# Altium PCB MD2084.PcbDoc (part 3 of 4)
Units mil, origin at the board's own origin, x right, y up, seen from the top; angles counter-clockwise.
Board outline 2480.33 x 1456.84 mil, 6 copper layers (L1_TOP, L2_GND, L3_HS, L4_POWER, L5_GND, L6_BOT), stack 62.954 mil thick; 246 components, 198 nets, 1028 pads, 585 vias.
Unrouted connection lines stored in the file: 92.
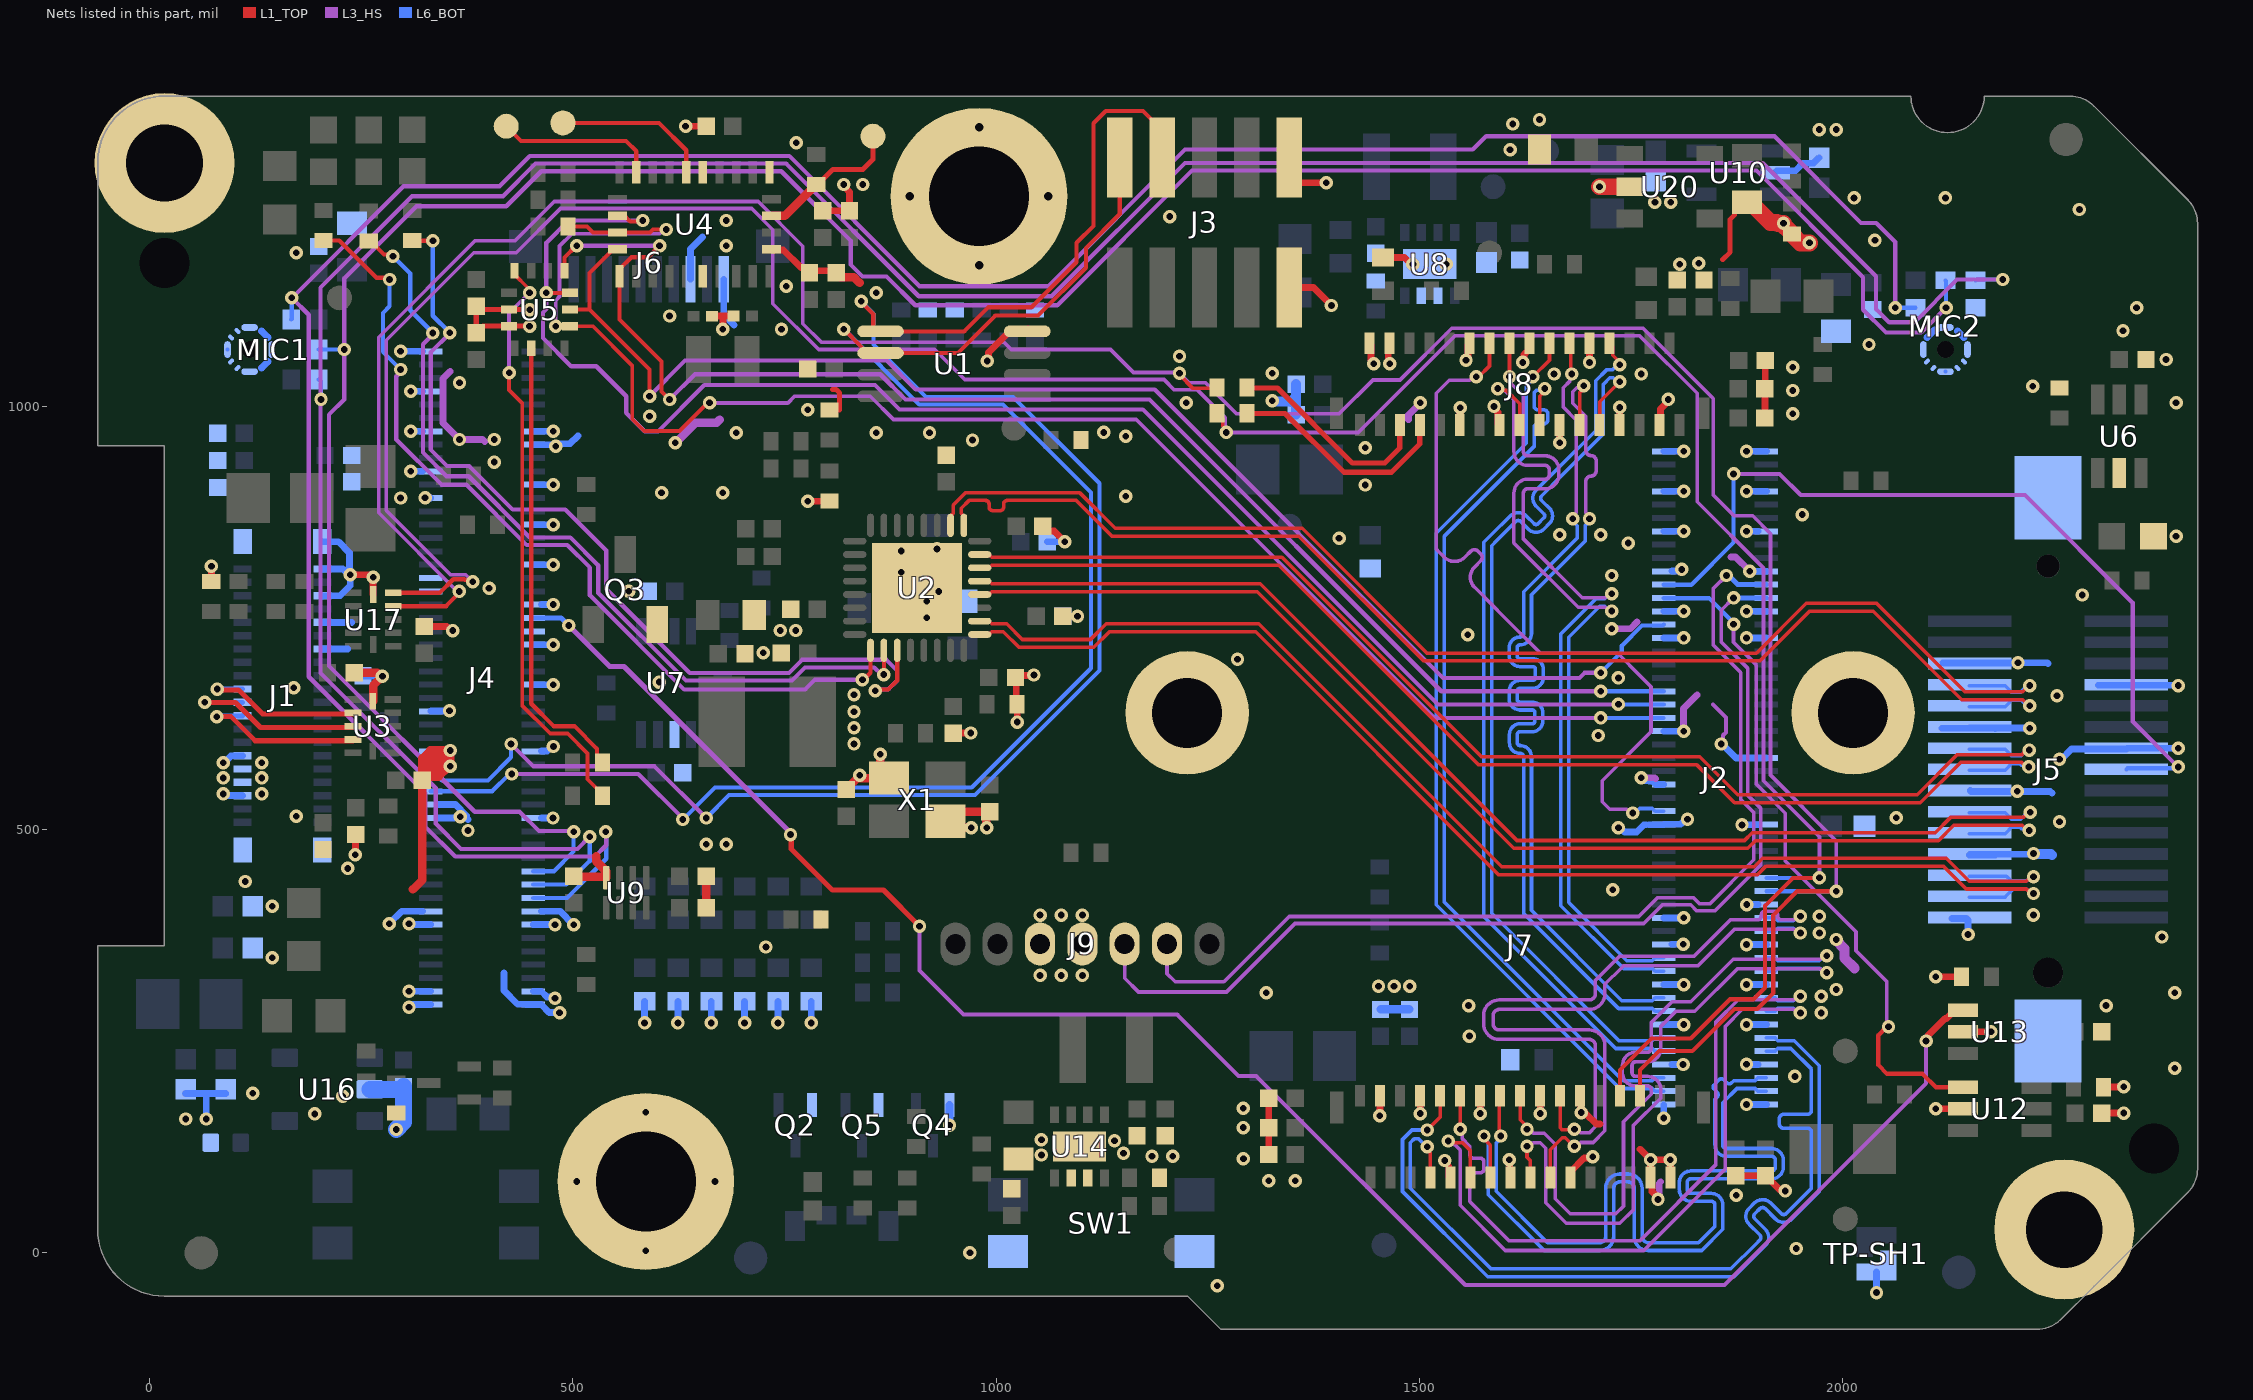
[diagram p7: the nets of this part, all layers, seen from the top]

## Via types
v1: diameter 15.83, hole 7.91, L1_TOP to L6_BOT, tented both sides, 554 vias
v2: diameter 15.98, hole 7.99, L1_TOP to L6_BOT, tented both sides, 23 vias
v3: diameter 20, hole 10, L1_TOP to L6_BOT, 4 vias
v4: diameter 15.83, hole 7.91, L1_TOP to L6_BOT, 4 vias

## Nets (pads, with @x,y where several pads share a name; then routed paths per layer and width w, separated by ;. In a path a pad name is that pad's centre, name@x,y a point inside that pad or via, vN(x,y) a via of type N, cw(c..) or ccw(c..) an arc to the next point about the centre after c; other vN are vias at no path point) (continued)
GND: C1.1 C2.1 C3.1 C4.1 C5.1 C6.1 C7.1 C8.1 C9.1 C10.1 C11.1 C12.1 C13.1 C14.1 C15.1 C16.1 C17.1 C18.1 C21.1 C22.1 C23.1 C24.1 C25.1 C26.1 C27.1 C28.1 C29.1 C30.2 C31.1 C32.1 C33.1 C34.1 C35.1 C36.1 C37.1 C38.1 C39.1 C40.1 C41.2 C42.1 C43.1 C44.1 C45.1 C46.1 C47.1 C48.1 C49.1 C50.2 C51.1 C52.1 C53.1 C54.1 C55.1 C56.1 C57.1 C58.1 C59.1 C62.1 C63.1 C64.2 C65.1 C66.2 C67.1 C68.1 C69.1 C70.1 C75.2 C76.1 C79.1 C80.1 C81.1 C82.1 C83.1 C84.1 C105.1 C106.1 C107.1 C108.1 C109.1 C110.1 D2.1 J1.3 J1.4 J1.5 J1.6 J1.21 J1.23 J1.25 J1.27 J1.41 J1.42 J1.43 J1.44 J2.1 J2.2 J2.7 J2.8 J2.13 J2.14 J2.19 J2.20 J2.25 J2.26 J2.30 J2.31 J2.43 J2.44 J2.50 J2.53 J2.58 J2.71 J2.72 J2.75 J2.76 J2.81 J2.82 J2.87 J2.88 J2.93 J2.94 J2.99 J2.100 J3.9 J3.10 J4.1 J4.2 J4.3 J4.4 J4.13 J4.14 J4.15 J4.16 J4.29 J4.30 J4.32 J4.38 J4.39 J4.40 J4.46 J4.49 J4.55 J4.61 J4.67 J4.73 J4.78 J4.79 J4.82 J4.85 J4.87 J4.88 J4.94 J4.100 J5.1 J5.4 J5.7 J5.10 J5.13 J5.19 J5.22 J5.P1 J5.P2 J6.8 J6.10 J7.2 J7.4 J7.11 J7.12 J7.15 J7.18 J7.21 J7.24 J7.27 J7.31 J7.34 J7.35 J8.2 J8.4 J8.11 J8.12 J8.15 J8.18 J8.21 J8.24 J8.27 J8.31 J9.3 J9.4 MH1.1 MIC1.3 MIC2.2 MIC2.3 MTG1.1 pad. Q2.2 Q3.2 Q4.2 Q5.2 R1.1 R2.2 R20.1 R21.1 R22.1 R23.1 R24.1 R25.1 R28.1 R32.1 R33.1 R34.1 R35.1 R36.1 R43.1 R46.1 R49.2 R56.1 R57.1 R59.1 R63.2 R65.1 R68.1 R73.1 R74.1 R76.2 SW1.2 SW1.4 TP-SH1.1 U1.4 U2.33 U3.6 U4.2 U4.10 U4.25 U5.6 U5.7 U6.2 U7.2 U8.2 U8.3 U8.9 U9.4 U10.2 U12.2 U13.2 U14.2 U14.3 U14.9 U16.2 U17.6 U20.2 X1.2 X1.4 | length 6596.9
  L1_TOP w6: v1(448.82,1094.49) 393.7,1094.49 C33.1@385.83,1086.61 C44.1@385.83,1118.11 389.76,1114.17 U5.6@424.7,1114.17 424.83,1114.05 448.8,1114.05 v1(448.92,1113.93) ; 806.61,1019.68 811.02,1019.68 814.96,1015.75 814.96,995.72 ; 1858.27,1173.23 1867,1181.96 1867,1220.77 1872.25,1226.02 1872.25,1229.96 1883.03,1240.74 C70.1@1886.97,1240.74
  L1_TOP w8: R2.2@73,792.72 v1(73,811) ; v1(237,801) 258.88,801 261.88,798 v1(264,798) U17.6@264,777.56 ; v1(243,470) 243.31,470.31 243.31,493.8 C47.1@243.62,494.11 ; C67.1@324.27,739.75 351.1,739.75 355.88,734.97 v1(358,734.97) ; v1(633.09,1330.71) C30.2@657.48,1330.71 ; C31.1@664.57,1106.3 664.67,1106.4 677.17,1106.4 ; v1(677.17,1091) 677.17,1106.4 ; C32.1@689.7,1106.5 689.6,1106.4 677.17,1106.4 ; U4.2@734.74,1185.53 735.67,1184.61 748.46,1184.61 769.35,1163.72 775.73,1163.72 779.53,1159.92 808.58,1159.92 C26.1@811.02,1157.48 ; v1(777.48,887.8) R36.1@803.15,887.8 ; C4.1@795.28,1230.81 C3.1@826.77,1230.81 826.77,1253.04 820,1259.81 v1(820,1261.81) ; C14.1@949.47,613.75 949.59,613.88 969.88,613.88 v1(970,614) ; v1(989.43,1053.43) 990.93,1054.93 990.93,1063.37 1014.06,1086.5 1022.5,1086.5 1024.39,1088.39 1034.94,1088.39 U1.4@1037.61,1091.06 ; C11.1@1022.61,681.64 1023.66,680.58 1023.66,651.06 1024.79,649.93 1024.79,626.97 v1(1024.86,626.89) ; C11.1@1022.75,681.43 1023.25,681.93 1044.08,681.93 v1(1044.58,682.44) ; C16.1@1055.12,858.27 1060.86,852.52 1068.48,852.52 v1(1081,840) ; C15.1@1078.76,751.98 v1@1095.98,751.98 ; C110.1@1321.9,116 C27.1@1321.9,147.88 C109.1@1321.9,182.42 ; J3.9@1346,1140.23 1374.77,1140.23 v1(1396,1119) ; J3.10@1346,1293.77 1346,1275.96 1356.96,1265 1356.96,1263.99 v1(1390,1263.99) ; J8.2@1440.97,1074.18 1442.88,1072.27 1442.88,1054.41 1446,1051.29 v1(1446,1050) ; v1(1453,162) 1453.27,162.27 1453.27,185.03 J7.31@1453.54,185.3 ; R63.2@1457,1175.69 1482.19,1175.69 1490.16,1167.72 v1(1492.27,1167.72) ; v1@1461.74,1050.03 1463.17,1051.45 1463.17,1072.75 J8.4@1464.59,1074.18 ; v1(1500.79,164.46) J7.27@1500.79,185.3 ; v1(1530,109) 1530,106.88 1534.61,102.27 1534.61,90.75 J7.24@1536.51,88.85 ; J8.11@1547.57,977.72 1547.83,977.99 1547.83,997.8 v1(1548.1,998.06) ; v1(1554.96,1054.19) 1554.96,1056.3 1557.18,1058.53 1557.18,1072.27 J8.12@1559.08,1074.18 ; v1(1571.65,164.46) J7.21@1571.65,185.3 ; v1(1588.05,999.7) 1588.05,997.59 1592.9,992.73 1592.9,979.63 J8.15@1594.81,977.72 ; J7.18@1606,90.14 1606.69,90.83 1606.69,109.31 v1(1606,110) ; v1(1622.03,1051.7) 1623.52,1053.19 1623.52,1060.86 1629.95,1067.29 J8.18@1629.95,1074.18 ; v1(1642.52,164.46) J7.15@1642.52,185.3 ; v1(1665.68,956.88) J8.21@1665.68,977.72 ; J7.12@1678.25,88.85 1678.25,95.74 1694.57,112.06 1703.23,112.06 v1(1704.72,113.56) ; J7.11@1689.76,185.3 1690.44,184.63 1690.44,166.31 v1(1691.12,165.63) 1692.62,164.14 1696.86,164.14 1709,152 1713.39,152 ; v1(1700.82,1051.7) J8.24@1700.82,1074.18 ; J8.27@1736.54,977.72 v1(1736.54,998.57) ; 1760.63,122.35 v1@1772.73,110.25 ; v1(1781.73,63.01) 1781.73,65.13 1774.64,72.22 1774.64,80.05 1772.73,81.96 J7.4@1772.73,88.85 v1@1772.73,110.25 ; J8.31@1783.79,977.72 1784.65,978.59 1784.65,996.53 1794,1005.88 v1(1794,1008) ; J7.2@1796.36,88.85 v1(1796.36,110) 1772.98,110 v1@1772.73,110.25 ; C108.1@1873.77,90.86 1873.9,90.98 1908.65,90.98 C107.1@1908.77,91.11 1925.35,74.53 1930.47,74.53 v2(1932,73) ; C105.1@1908.03,986 C106.1@1908.03,1020.45 ; C106.1@1908.32,1020.74 1908.32,1053.71 C25.1@1908.61,1054 ; v1(2110,170) U12.2@2142,170 ; v1(2110,326) R57.1@2140.28,326 ; U13.2@2142,261 v1(2175,261) ; C39.1@2305.75,165 v1(2332,165) ; R56.1@2307.72,195.59 2307.92,195.8 2331.8,195.8 v1(2332,196)
  L1_TOP w10: C41.2@241.67,685 268.88,685 272.88,681 v1(275,681) 264,670 U3.6@264,651.57 ; 311.02,429.13 322.21,440.32 C40.1@322.21,558 ; C51.1@500.86,444.88 501.84,443.9 538.39,443.9 U9.4@539.37,442.91 539.37,450.63 527.56,462.44 527.56,468.5 ; C50.2@657.48,407.48 C45.1@657.48,444.88 ; C26.1@811.02,1157.48 816.26,1152.24 832.01,1152.24 838.58,1145.67 ; C28.1@822.83,547.24 836.33,560.74 X1.4@869.29,560.74 ; v1(863,589) 863,567.03 X1.4@869.29,560.74 ; X1.4@873.23,560.74 X1.4@869.29,560.74 ; v1(970.55,502) 947.71,502 X1.2@940.16,509.56 951.59,520.99 C29.1@992.38,520.99 988.11,516.73 988.11,503.11 v1@987,502 ; C40.1@322.21,558 322.21,583.87 331.69,593.35 342.52,593.35 ; C40.1@322.21,558 C40.1@326.72,562.52 ; C40.1@326.72,562.52 C40.1@327.44,563.24 ; C40.1@326.72,562.52 341.33,562.52 v1@352.31,573.49 ; C40.1@327.44,563.24 327.44,574.61 ; C40.1@327.44,563.24 335.07,570.87 ; 327.44,574.61 327.44,578.28 ; 327.44,574.61 336.25,574.61 v1@353.89,592.24 ; 327.44,578.28 327.44,580.8 338.88,592.24 341.4,592.24 ; 327.44,578.28 341.4,592.24 ; 335.07,570.87 353.89,589.68 v1@353.89,592.24 ; 335.07,570.87 342.52,570.87 345.15,573.49 v1@352.31,573.49 ; 341.4,592.24 v1@353.89,592.24 ; 341.4,592.24 342.52,593.35 ; 342.52,593.35 v1(355,593.35) ; v1@352.31,573.49 353.89,573.49 v1(355,574.61) ; v1@352.31,573.49 353.42,574.61 v1(355,574.61) ; v1@353.89,592.24 v1(355,593.35) ; v1(355,574.61) v1(355,593.35)
  L1_TOP w20: v1(1712.6,1259.2) U20.2@1748.18,1259.2 ; C70.1@1886.97,1240.74 1890.75,1236.96 1894.69,1236.96 1914.74,1216.91 1922.51,1216.91 1923.37,1216.05 v1(1929.97,1216.05) ; v1@1927.74,1216.05 1940,1203.79 1940,1203.16 1950.25,1192.91 v1(1960.63,1192.91)
  L3_HS w5: 1846.84,647.54 1862,632.38 1862,614.64 1858.66,611.3 1858.66,603.07 v1(1856.59,601)
  L3_HS w8: 355,1041 346.46,1032.46 346.46,980.17 v1(366,960.63) 393.37,960.63 396,958 ; 1487,984 1487,989.84 1501,1003.84 v1(1501,1004) ; v1(1727,737) 1749,737 1757,745 ; v1(1762,561) 1778,561 1779,560 ; v1(1781.73,63.01) 1783.22,64.51 1783.22,82.22 1785,84 ; v1(1812,616.04) 1812,643 1828,659 ; 1868,822 1873.2,822 v1(1890.18,805.02)
  L3_HS w10: v1(621,956.69) 621.11,956.69 644.73,980.32 669.69,980.32 673.37,984
  L3_HS w12: v1(1992.13,370.08) 1992.13,369.04 2001.85,359.32 2001.85,348.15 2014,336
  L6_BOT w8: C64.2@42.53,188.28 67,188.28 ; v1@67,159 67,188.28 ; v1@87,544 89.12,544 92.9,540.22 109.43,540.22 J1.3@109.76,539.89 ; v1(87,579) 88,579 96,587 109.63,587 J1.6@109.76,587.13 ; C1.1@90,188.28 67,188.28 ; MIC1.3@132.33,1045.06 MIC1.3@139.98,1052.71 ; MIC1.3@132.33,1088.8 MIC1.3@139.98,1081.15 ; J1.23@203.92,775.78 J1.23@204.25,776.11 225.11,776.11 237,788 v1(237,801) ; J1.43@204.01,840 222.92,840 236.09,826.83 236.09,801.91 v1(237,801) ; J1.27@204.25,713.12 234,713.12 ; J1.25@204.25,744.61 238.67,744.61 ; J1.21@204.25,807.61 228.28,807.61 234.88,801 v1(237,801) ; C68.1@249,681.62 249.31,681.31 274.69,681.31 v1(275,681) ; v1(283,388.63) 297.75,403.38 J4.16@322.24,403.38 ; v1(296.47,1064.8) J4.100@322.24,1064.8 ; C23.1@298.37,194.63 C23.1@300,196.25 ; v1(308.42,970.31) J4.88@322.24,970.31 ; v1(308.42,1017.55) J4.94@322.24,1017.55 ; v1@308.52,293.14 J4.2@332.02,293.14 ; v1@308.52,308.89 J4.4@332.02,308.89 ; v1@308.52,387.63 J4.14@332.02,387.63 ; v1(308.52,923.06) J4.82@322.24,923.06 ; v1(325.42,891.86) 325.71,891.57 J4.78@332.02,891.57 ; J4.38@332.02,576.61 v1@355,576.61 ; J4.46@332.02,639.6 332.41,639.99 353.82,639.99 v1(354.21,640.39) ; J4.30@341.79,513.61 359.61,513.61 v1@360,514 ; J4.32@341.79,529.36 361.22,529.36 374.55,516.03 374.55,513.35 376.05,511.85 ; J4.40@341.79,592.35 v1@355,592.35 ; 418.64,330.61 418.64,309.71 434.75,293.6 444.43,293.6 444.88,293.14 J4.1@453.28,293.14 ; J4.1@453.13,293 J4.1@453.28,293.14 ; J4.3@453.28,308.89 462.6,308.89 469.2,302.28 477.33,302.28 v1(478.83,300.79) ; J4.13@453.28,387.63 v1@476.77,387.63 ; J4.49@453.28,671.09 v1(476.77,671.09) ; J4.55@453.28,718.34 v1(476.77,718.34) ; J4.67@453.28,812.83 v1(476.77,812.83) ; J4.73@453.28,860.07 v1(476.77,860.07) ; J4.79@453.28,907.32 v1(476.77,907.32) ; J4.85@453.28,954.56 476.77,954.56 477.89,955.68 496.68,955.68 506,965 ; J4.87@453.28,970.31 v1(476.77,970.31) ; J4.15@463.05,403.46 484.69,403.46 v1(500.83,387.3) ; J4.29@463.05,513.6 v1(476.49,513.59) ; J4.39@463.05,592.81 469.69,592.81 474.89,598.02 v1(477.01,598.02) ; J4.61@463.05,765.67 476.68,765.67 v1(476.77,765.75) ; v1(484.25,283.46) 483.95,283.77 471.97,283.77 462.6,293.14 J4.1@453.28,293.14 ; v1(584.69,271.5) 584.69,296.96 R20.1@584.89,297.16 ; v1(624.06,271.5) R21.1@624.06,296.96 ; J6.8@638.8,1150 638.8,1185.8 653,1200 ; v1(663.43,271.5) R22.1@663.43,296.96 ; J6.10@678.17,1150 678.17,1108.13 690.3,1096 ; v1(702.8,271.5) R23.1@702.8,296.96 ; v1(742.17,271.5) R24.1@742.17,296.96 ; v1(781.54,271.5) R25.1@781.54,296.96 ; C17.1@1060.33,839.91 C17.1@1060.33,839.91 1080.95,839.95 v1(1081,840) ; v1(1735,502) 1737.12,502 1742.12,497 1756.62,497 1765.21,505.59 1767.41,505.59 ; v1@1763,558 1770.67,558 1771.41,557.26 1774.98,557.26 1779.19,553.05 J2.50@1788.51,553.05 ; 1771,505.59 1788.29,505.59 1788.96,506.26 1808.73,506.26 1814.47,512 v1(1816.59,512) ; v1(1788.51,159.13) J2.2@1788.51,174.64 ; J2.14@1788.51,269.59 v1(1812,269.59) ; J2.20@1788.51,316.83 v1(1812,316.83) ; J2.30@1788.51,395.57 v1(1812,395.57) ; J2.58@1788.51,616.04 v1(1812,616.04) ; J2.72@1788.51,726.28 v1(1812,726.28) ; J2.76@1788.51,757.78 v1(1812,757.78) ; J2.88@1788.51,852.26 v1(1812,852.26) ; J2.94@1788.51,899.51 v1(1812,899.51) ; J2.100@1788.51,946.75 v1(1812,946.75) ; J2.8@1798.29,222.34 v1(1811.37,222.34) ; J2.26@1798.29,364.33 1811.23,364.33 v1(1811.49,364.59) ; J2.82@1798.29,805.48 1805.97,805.48 1807.7,807.2 v1(1809.82,807.2) ; v1(1856.59,601) 1857.34,601 1873.8,584.55 J2.53@1909.77,584.55 ; v1(1880.94,505.38) 1881.15,505.59 J2.43@1899.99,505.59 ; v1(1886.28,175.1) J2.1@1909.77,175.1 ; v1(1886.28,222.65) 1886.43,222.49 J2.7@1899.99,222.49 ; v1(1886.28,269.59) J2.13@1909.77,269.59 ; v1(1886.28,316.83) J2.19@1909.77,316.83 ; v1(1886.28,364.07) J2.25@1909.77,364.07 ; v1(1886.28,726.28) J2.71@1909.77,726.28 ; v1(1886.28,757.78) J2.75@1909.77,757.78 ; v1(1886.3,852.29) J2.87@1899.99,852.28 ; v1(1886.28,899.51) J2.93@1909.77,899.51 ; v1(1886.28,946.75) J2.99@1909.77,946.75 ; v1(1886.41,411.32) J2.31@1899.99,411.32 ; v1(1890.18,805.02) J2.81@1909.77,805.02 ; U10.2@1919.97,1275.82 1922.24,1278.08 1944.26,1278.08 1953.23,1287.05 1965.66,1287.05 C48.1@1972.14,1293.53 ; v1(2039.84,-47) TP-SH1.1@2039.84,-22.65 ; MIC2.3@2099.39,1081.15 MIC2.3@2107.04,1088.8 2108.25,1090 2111,1090 ; J5.10@2116.98,619.48 2179.52,619.48 J5.10@2180,619 ; J5.13@2118.04,696.5 2206.5,696.5 v1(2207,697) 2241.48,697 2242.48,696 ; J5.1@2129.04,394.96 2146.15,394.96 2148,393.11 v1(2148,376) ; MIC2.3@2135.48,1088.8 MIC2.3@2143.13,1081.15 ; J5.4@2149.51,469.98 J5.4@2179.98,469.98 ; J5.10@2149.73,619.72 2220.76,619.72 v1(2221,619.48) v1@2221.52,620 ; J5.4@2150.33,470.8 2224.4,470.8 v1(2225.24,471.65) ; J5.7@2150.51,545.98 2151.51,544.98 v1@2206.08,544.98 ; v1(2206.1,545) 2245,545 2247,543 ; v1(2256,583) 2258.12,583 2270.08,594.96 2335,594.96 2336.04,596 v1(2396.1,596) ; J5.19@2302.07,670.5 2395.62,670.5 v1(2396.12,670)
  L6_BOT w10: v1(944.84,150.46) Q4.2@944.84,174.48 ; C83.1@1454.03,287.4 C84.1@1488.19,287.4
  L6_BOT w12: v2(1326,1006.49) 1326.76,1005.73 1347.86,1005.73 1348.42,1005.17 1354.25,1011 ; C79.1@1354.25,990 1354.25,1011 ; C80.1@1354.25,1026 1354.25,1011 ; v1(2225.24,471.65) 2225.98,470.91 2246.05,470.91 2247,469.96
  L6_BOT w20: U16.2@260.2,193 296.75,193 C23.1@298.37,194.63 ; v1(291.34,145.67) 300,154.33 C23.1@300,196.25
  other v1: 1945,5 1773,110 1184,114.19 1208.46,113.85 1053.42,115.49 1150.42,117.49 1139.79,132.43 1053.42,133.49 1292,147.88 42.53,158 67,158 195.13,164 1292,170.6 228,185 121.72,188.28 2392,218 1559,256 1974.44,283.3 306.46,290.14 1558,292 1974.44,303.12 1318.9,307.09 2392,307 306.46,308.89 1992.13,311.02 1451.62,314.7 1470,314.96 1488.62,314.7 145,348.33 727.99,361.19 2377,373 1972.44,377.78 478.83,387.63 306.46,388.63 1972.44,397.61 145,409.45 1728.35,428.98 113,438.59 234,454 657.48,482.41 681.1,482.41 376.05,498.85 989,502 2256,509 2063,514 367,515 173.23,515.77 87,542 132.53,542 86.93,560.88 132.6,560.88 839,564 132.53,579 832,601.06 1711,611 832,620.12 832,639.19 2253,658 832,659 170.1,667.39 1735,679.04 1285,701 724.8,708.61 1557,730 744.99,735 763.25,735 918,750 1096,752 918,769.56 2283,777 566,781.33 932,781 401,785 1727,800 888,803.86 888,829 930.03,831.42 1405,844 2393.7,846.46 1665.68,848 1714,848 1952,872 296.47,891.57 1153,893.7 604.72,897.64 677.17,897.64 1436,906.94 407,934 1436,950.91 479.77,952.56 972,960 407,960.63 1153,964.57 692.91,968.5 858.27,968.5 921.26,968.5 1127,969 590.55,988.19 1941,991 777.25,995.72 1224.41,1003.94 2393.7,1003.94 1941,1018.5 2224.41,1023.62 366,1027.56 1659,1038 1762,1038 1941,1046 1464.74,1050.03 2381.89,1055.12 1216.54,1059.06 2030.99,1072.82 2331,1089 746.43,1091 614.17,1106.5 858.27,1133.86 751.97,1141.73 1531.64,1167.72 1807.41,1167.72 1830,1169 173.23,1181.1 681.1,1189.57 2038,1196 681.1,1219.38 1205,1224 2279.53,1232.28 1778.13,1241 1796.67,1240.74 2013.33,1246 2121.26,1246 842.52,1261.81 1607,1303 763.78,1311.02 1972.14,1326.77 1992.13,1326.77 1610.24,1333.31 1641.73,1338.58
  other v2: 1261,-39 969,0 1874.04,67.82 1321.9,85 1353.39,85 1292,111 1943.48,208.36 2311,292 1051.81,327.61 1076.81,327.61 1101.81,327.61 1051.81,398.89 1076.81,398.89 1101.81,398.89 2225.24,399 602.13,674.13 1746.63,838.28 1326,1039 2347,1116.22
  other v3: 979.76,1166.3 898.07,1247.99 1061.46,1247.99 979.76,1329.68
  other v4: 586.14,2.56 504.45,84.25 667.83,84.25 586.14,165.94
I2C0_SCL: J3.2 J4.34 U1.6 | length 1952.8
  L1_TOP w5: v1(820,1091) 841.04,1069.96 841.04,1066.85 845.09,1062.8 954.8,1062.8 999,1107 1049.45,1107 1106,1163.55 1106,1187 1146,1227 J3.2@1146,1293.77
  L3_HS w5: v1(427.63,565.52) 577.24,565.52 629.92,512.85 v1(629.92,511.81)
  L6_BOT w5: J4.34@332.02,545.11 404.65,545.11 425.06,565.52 v1(427.63,565.52) ; v1(629.92,511.81) 667.7,549.59 971.13,549.59 1112,690.46 1112,898 1008,1002 909,1002 v1(820,1091)
I2C0_SDA: J3.4 J4.36 U1.5 | length 2154
  L1_TOP w5: v1(840.55,1124.02) 840.55,1123.15 854.75,1108.95 854.75,1092.44 858.81,1088.39 962.15,1088.39 990.76,1117 1042,1117 1095,1170 1095,1193 1115,1213 1115,1334.17 1129.45,1348.62 1173.44,1348.62 1196,1326.06 J3.4@1196,1293.77
  L3_HS w5: v1(427,601) 453.39,574.61 596.46,574.61 v1(657.48,513.59)
  L6_BOT w5: J4.36@332.02,560.86 342.25,560.86 345.11,558 399.73,558 427,585.27 v1(427,601) ; v1(657.48,513.59) 684.48,540.59 974.86,540.59 1122,687.73 1122,909 1020,1011 917,1011 855,1073 855,1109.19 840.55,1123.64 v1(840.55,1124.02)
I2C1_SCL: J2.35 J7.7 R89.2 U17.5 | length 3437.3
  L1_TOP w4.3: R89.2@1260.88,991.5 1267.59,984.79 1267.59,976.18 1271.65,972.12 v1(1271.65,969)
  L1_TOP w5: U17.5@287.62,779.53 342.52,779.53 358.6,795.61 371.62,795.61 372.48,794.75 379.74,794.75 v1(381.82,792.68) ; J7.7@1737.01,185.3 1737.01,215.9 1774.11,253 1820.41,253 1866.91,299.5 1894.5,299.5 1908,313 1908,409.81 1941,442.81 v1(1972.44,442.81)
  L3_HS w4.3: v1(381.82,792.68) 373.49,801 355.41,801 279.53,876.88 279.53,1077.82 382.81,1181.1 433.07,1181.1 485.41,1233.44 711.12,1233.44 736.22,1208.34 736.22,1121.09 790.31,1067 927.38,1067 962.88,1031.5 1198.19,1031.5 1210.43,1019.26 1237.74,1019.26 1270.47,986.53 1270.47,970.18 v1(1271.65,969) 1427.78,969 1541.78,1083 1760.27,1083 1828,1015.27 1828,887.09 1906.3,808.79 1906.3,557.7 1972.44,491.56 v1(1972.44,442.81)
  L6_BOT w5: J2.35@1909.77,442.81 v1(1972.44,442.81)
I2C1_SCL_P: J8.7 R89.1 | length 269
  L1_TOP w6: R89.1@1296.31,991.5 1341.22,991.5 1410.72,922 1467,922 1500.32,955.32 J8.7@1500.32,977.72
I2C1_SDA: J2.33 J7.5 R88.2 U17.4 | length 3498.2
  L1_TOP w4.3: v1(1216.54,1039) 1216.54,1036.99 1232.53,1021 1259.88,1021 R88.2@1260.88,1022
  L1_TOP w5: U17.4@287.62,763.78 350.27,763.78 365.65,779.16 v1(365.65,781.19) ; J7.5@1760.63,185.3 1760.63,216 1782.94,238.31 1822.31,238.31 1872,288 1899,288 1918,307 1918,399 1946.07,427.07 v1(1992.13,427.07)
  L3_HS w4.3: v1(365.65,781.19) 363.48,781.19 270.53,874.15 270.53,1081.55 384.35,1195.37 431.73,1195.37 478.11,1241.74 718.89,1241.74 771.65,1188.98 771.65,1097.4 793.57,1075.48 1009.16,1075.48 1017.72,1066.93 1135.01,1066.93 1162.14,1039.8 1215.74,1039.8 v1(1216.54,1039) 1227.98,1027.56 1247.22,1027.56 1283.78,991 1405,991 1445,1031 1477.06,1031 1538.06,1092 1764,1092 1847,1009 1847,895 1871.52,870.48 1893.52,870.48 1914.6,849.4 1914.6,564.33 1992.13,486.8 v1(1992.13,427.07)
  L6_BOT w5: J2.33@1909.77,427.07 v1(1992.13,427.07)
I2C1_SDA_P: J8.5 R88.1 | length 251.6
  L1_TOP w6: R88.1@1296.31,1022 1296.83,1021.49 1332.21,1021.49 1420.7,933 1459,933 1476.7,950.7 J8.5@1476.7,977.72
I2C2_SCL: J2.79 J9.6 | length 1211.7
  L3_HS w4.3: J9.6@1201.81,364.8 1201.81,329.69 1211.5,320 1269,320 1346.26,397.26 1759.14,397.26 1781.18,419.3 1823.73,419.3 1830.67,412.36 1843.22,412.36 1895,464.14 1895,520 1879.65,535.35 1879.65,685.35 1846.84,718.16 1846.84,784.25 v1(1862.59,800)
  L6_BOT w6: v1(1862.59,800) 1865.25,800 1875.97,789.27 J2.79@1909.77,789.27
I2C2_SDA: J2.77 J9.5 | length 1246.2
  L3_HS w4.3: J9.5@1151.81,364.8 1151.81,324.19 1168,308 1272,308 1352.96,388.96 1764.96,388.96 1787,411 1820.29,411 1827.29,404 1849,404 1903.3,458.3 1903.3,524.7 1887.95,540.05 1887.95,690.05 1856.59,721.41 1856.59,759.11 v1(1871,773.52)